# Altium PCB ccd_bottom.PcbDoc (part 1 of 3)
Units mil, origin at the board's own origin, x right, y up, seen from the top; angles counter-clockwise.
Board outline 3937.01 x 3937.01 mil, 4 copper layers (Top Layer, GND2, PWR3, Bottom Layer), stack 72.967 mil thick; 128 components, 168 nets, 680 pads, 683 vias.
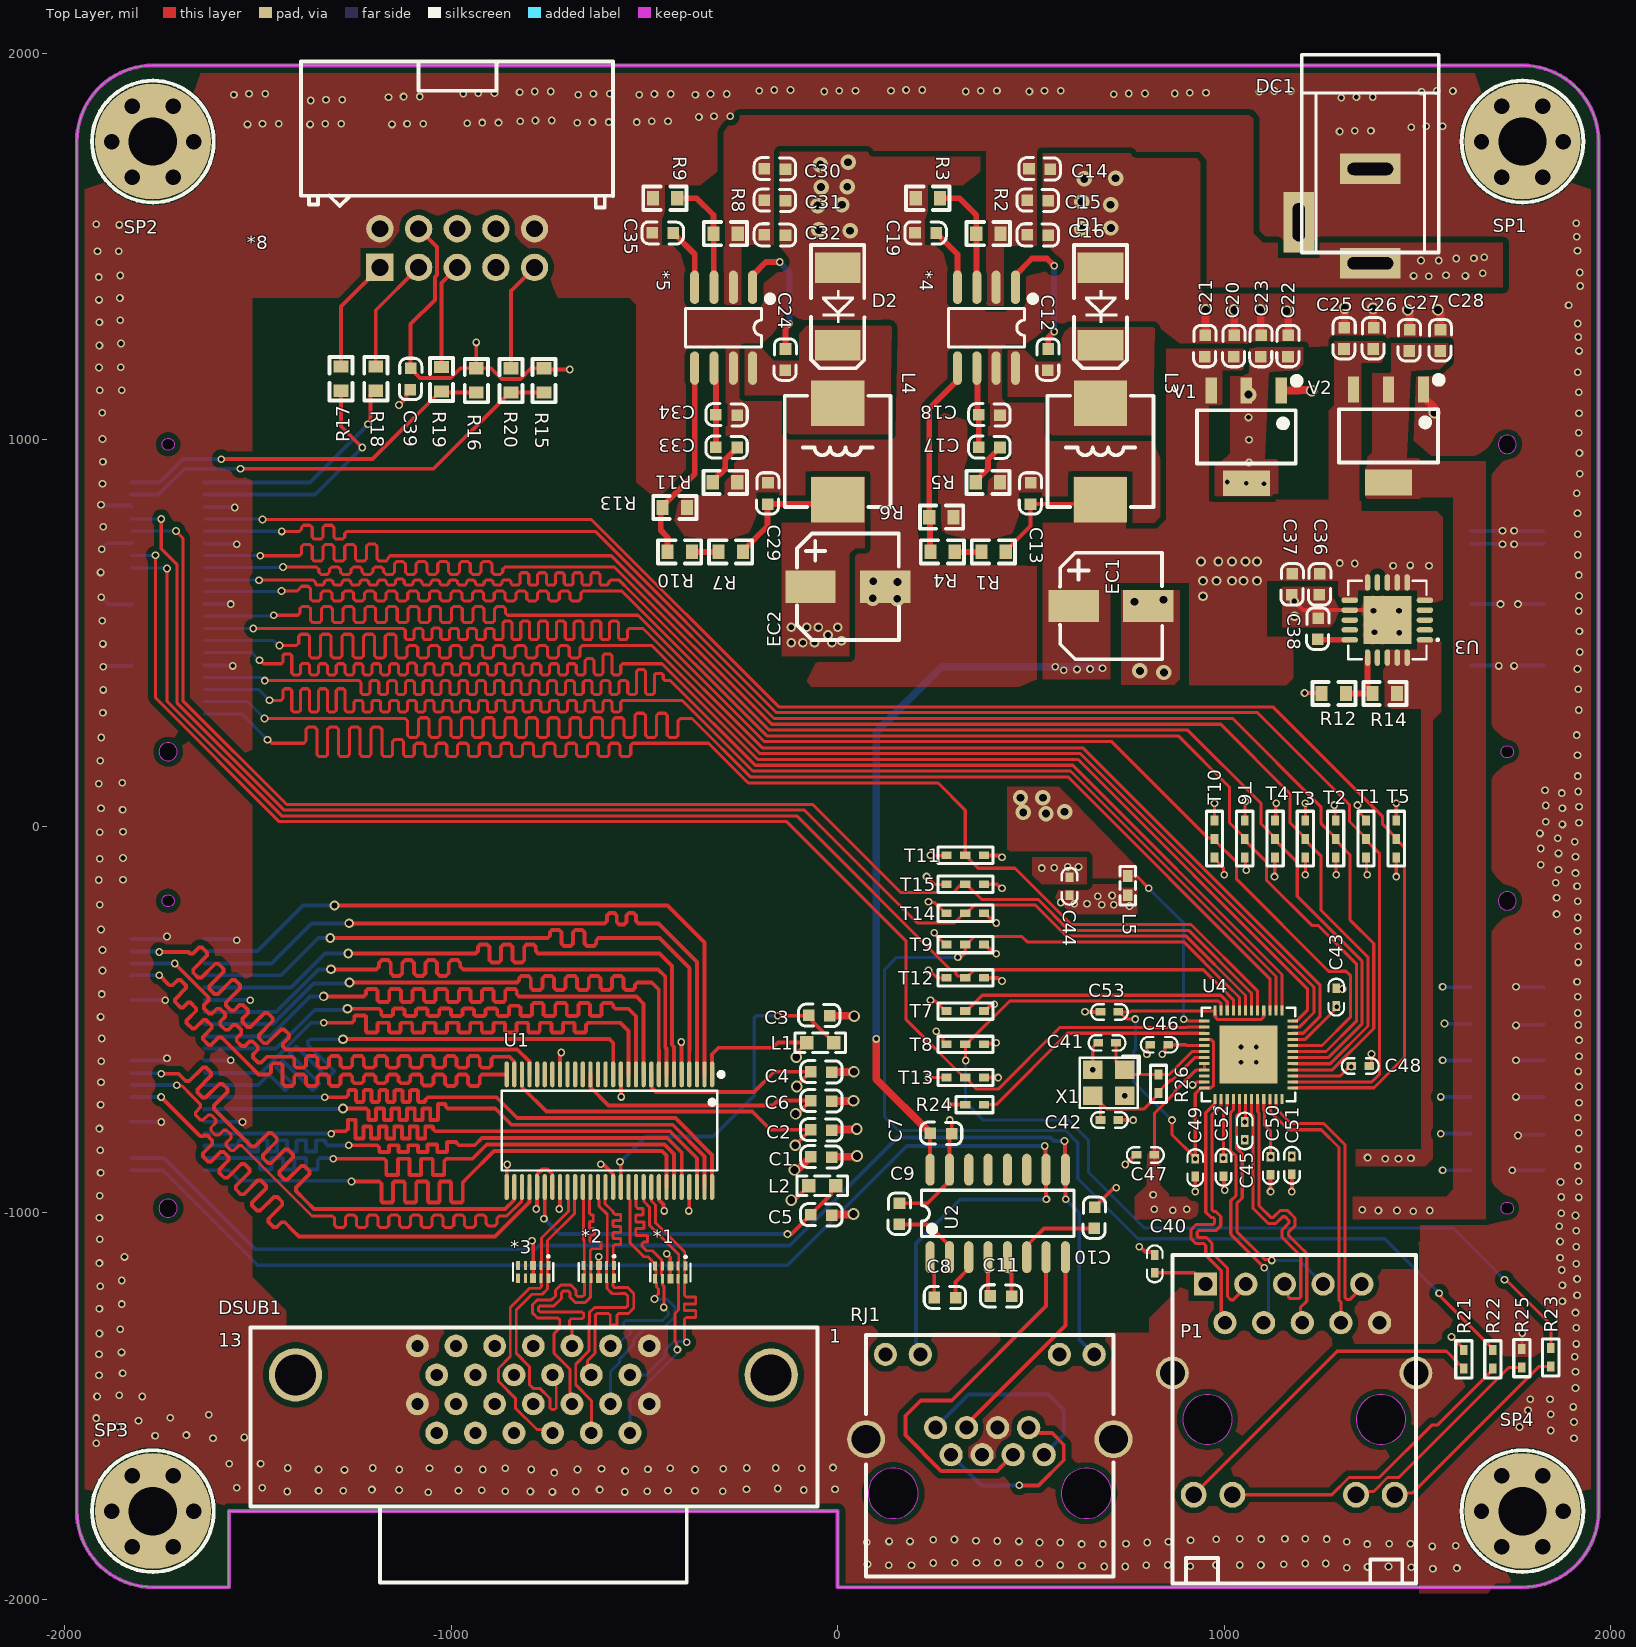
[diagram p0: Top Layer view]
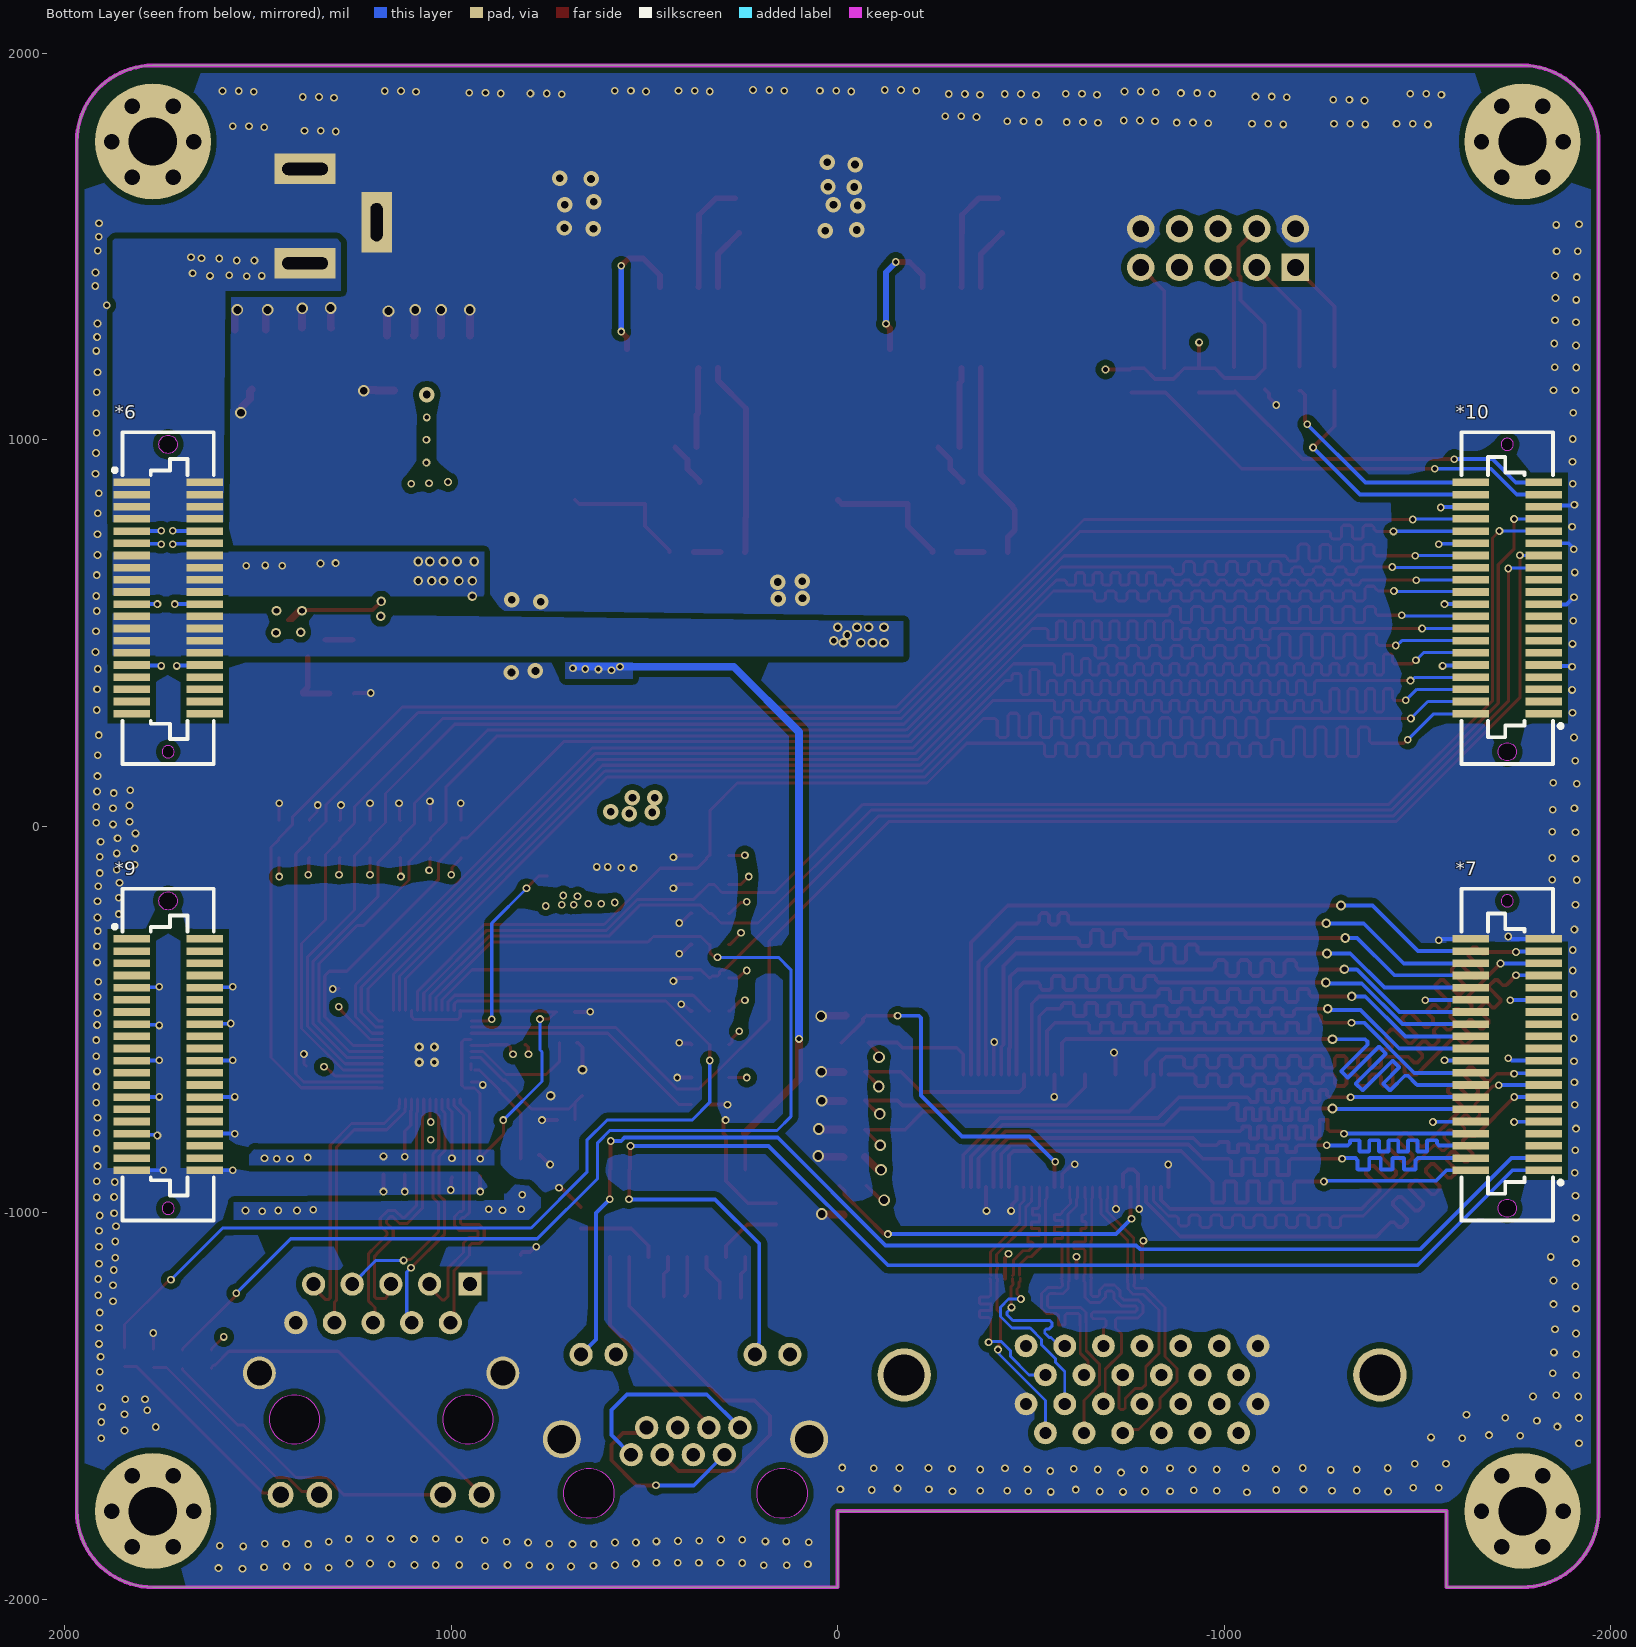
[diagram p1: Bottom Layer view, seen from below]
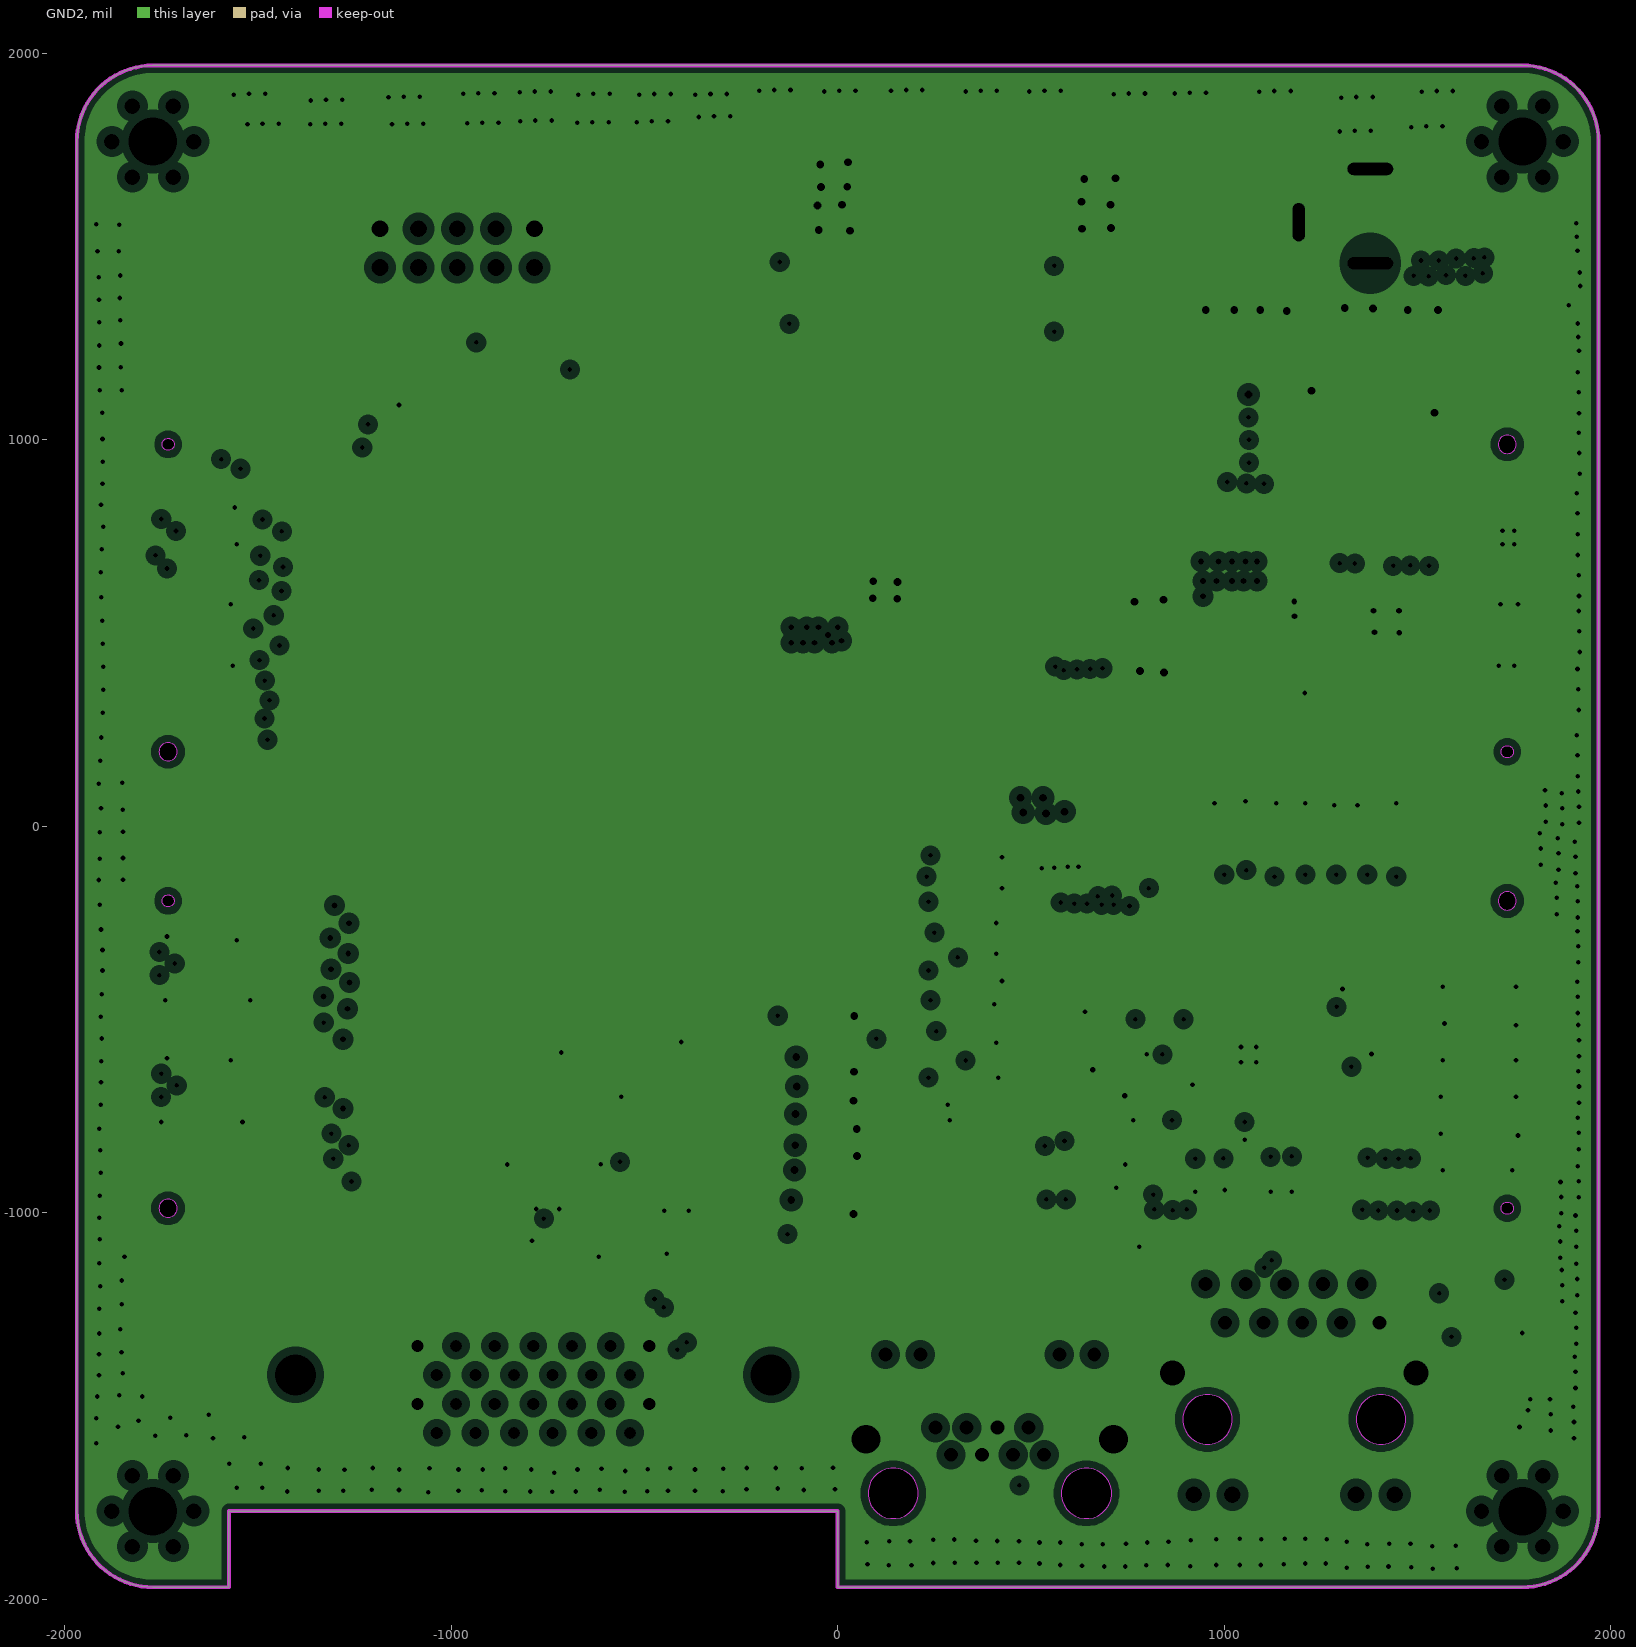
[diagram p2: GND2, clearances drawn from the general rule]
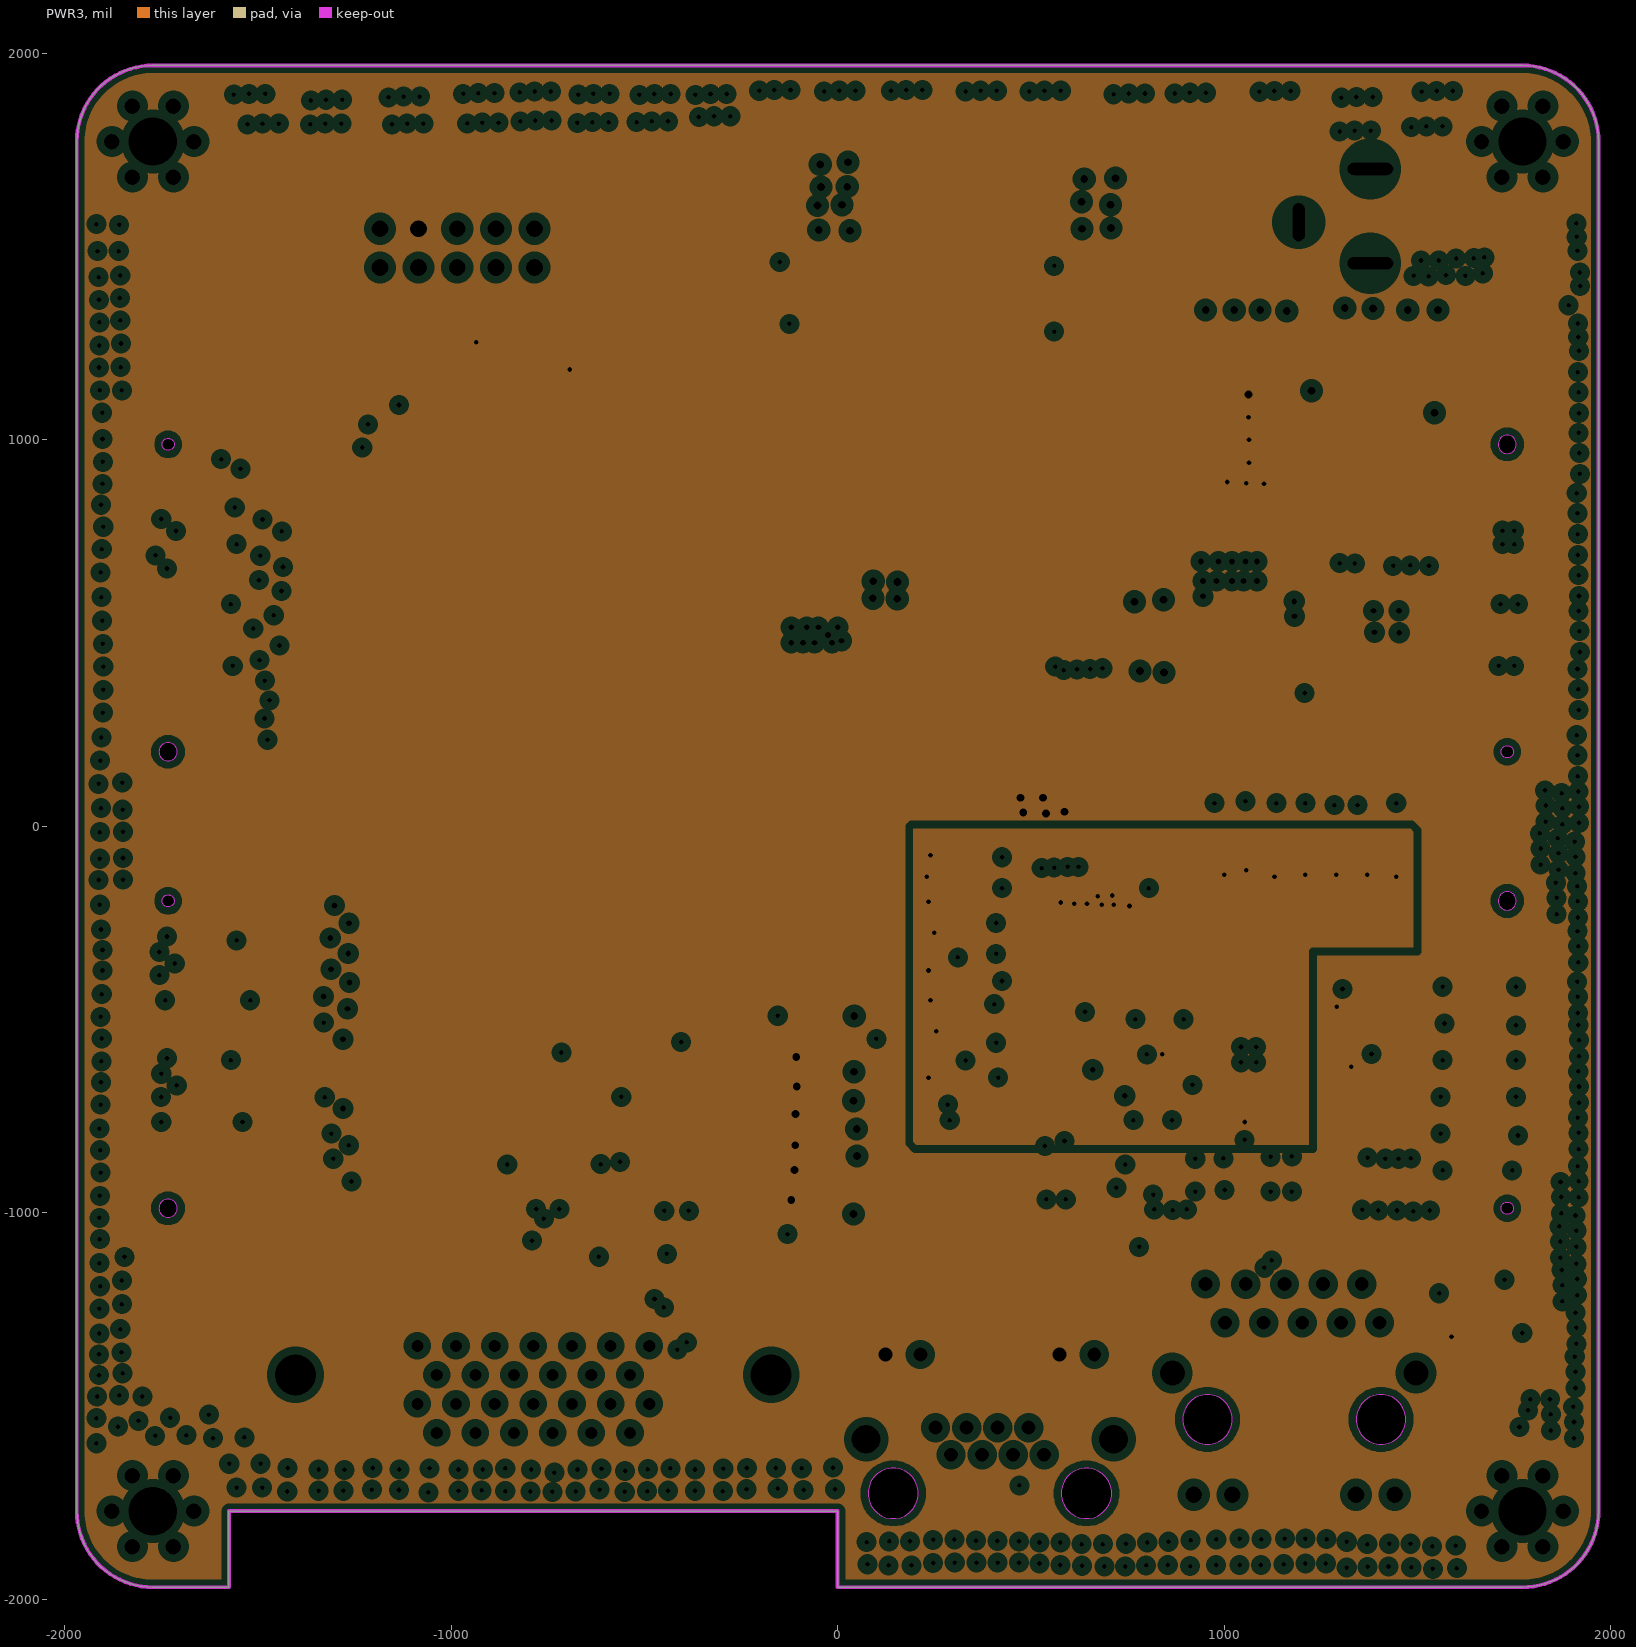
[diagram p3: PWR3, clearances drawn from the general rule]
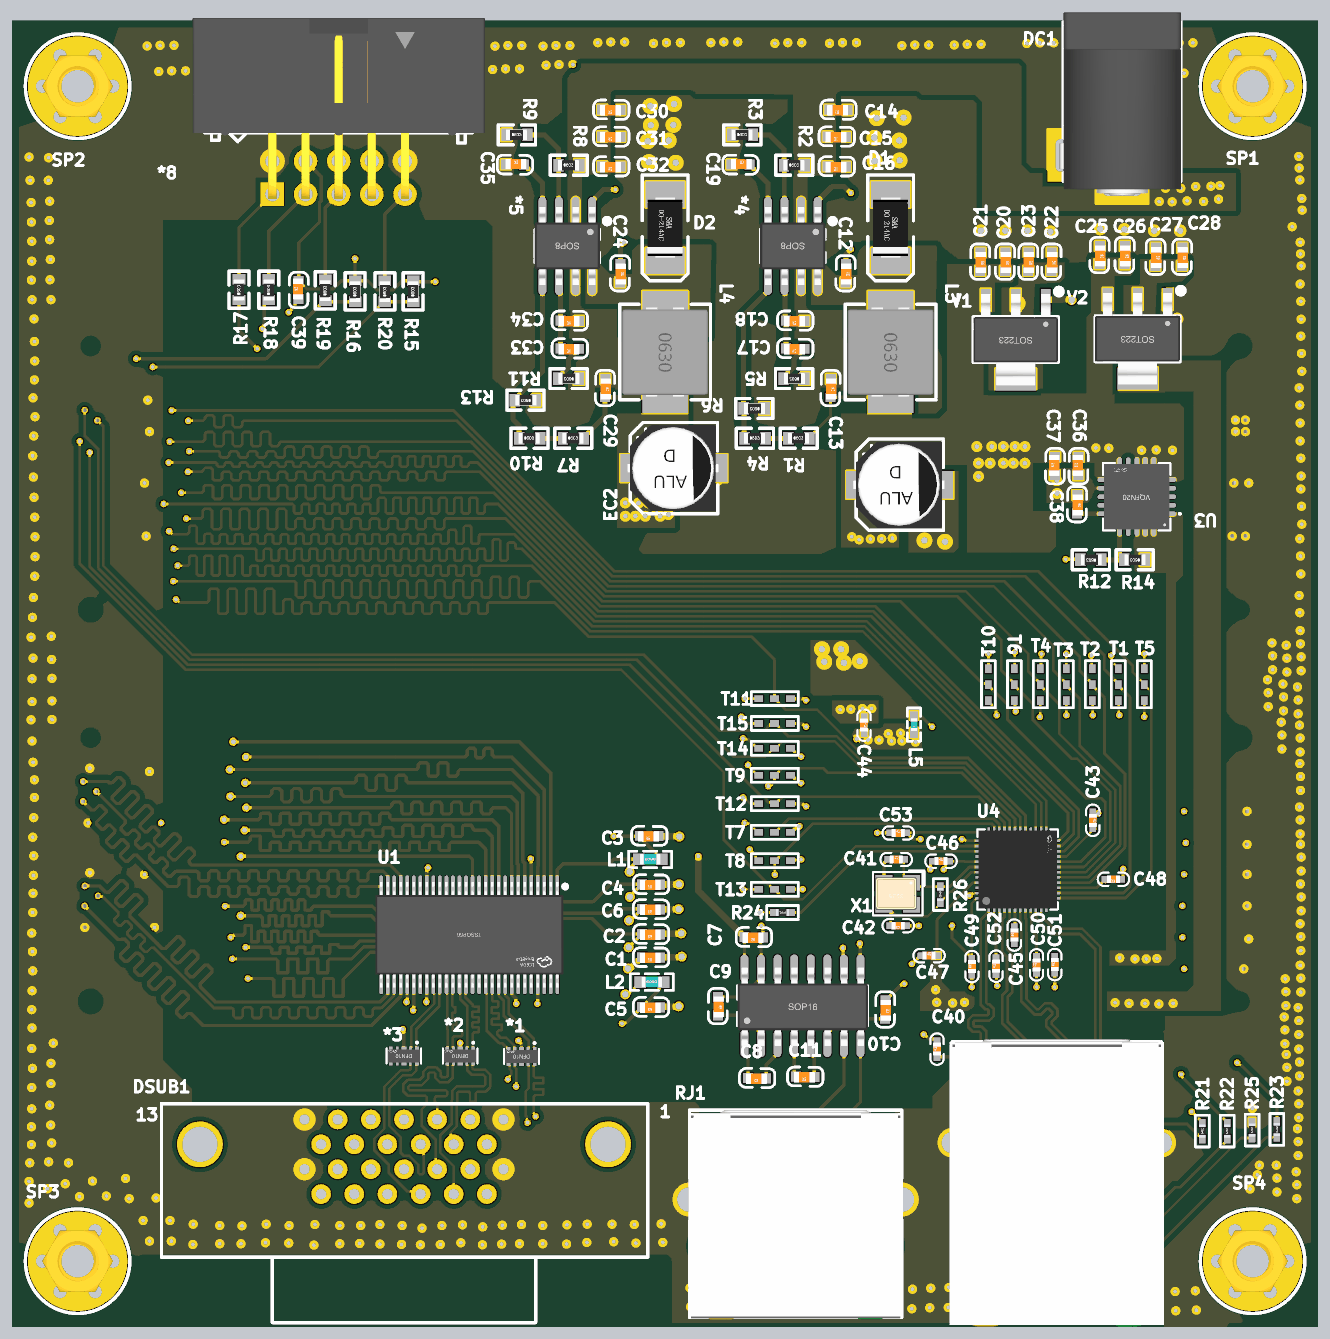
[diagram p6: 3D render of the assembled board from above, using the file's embedded part models]
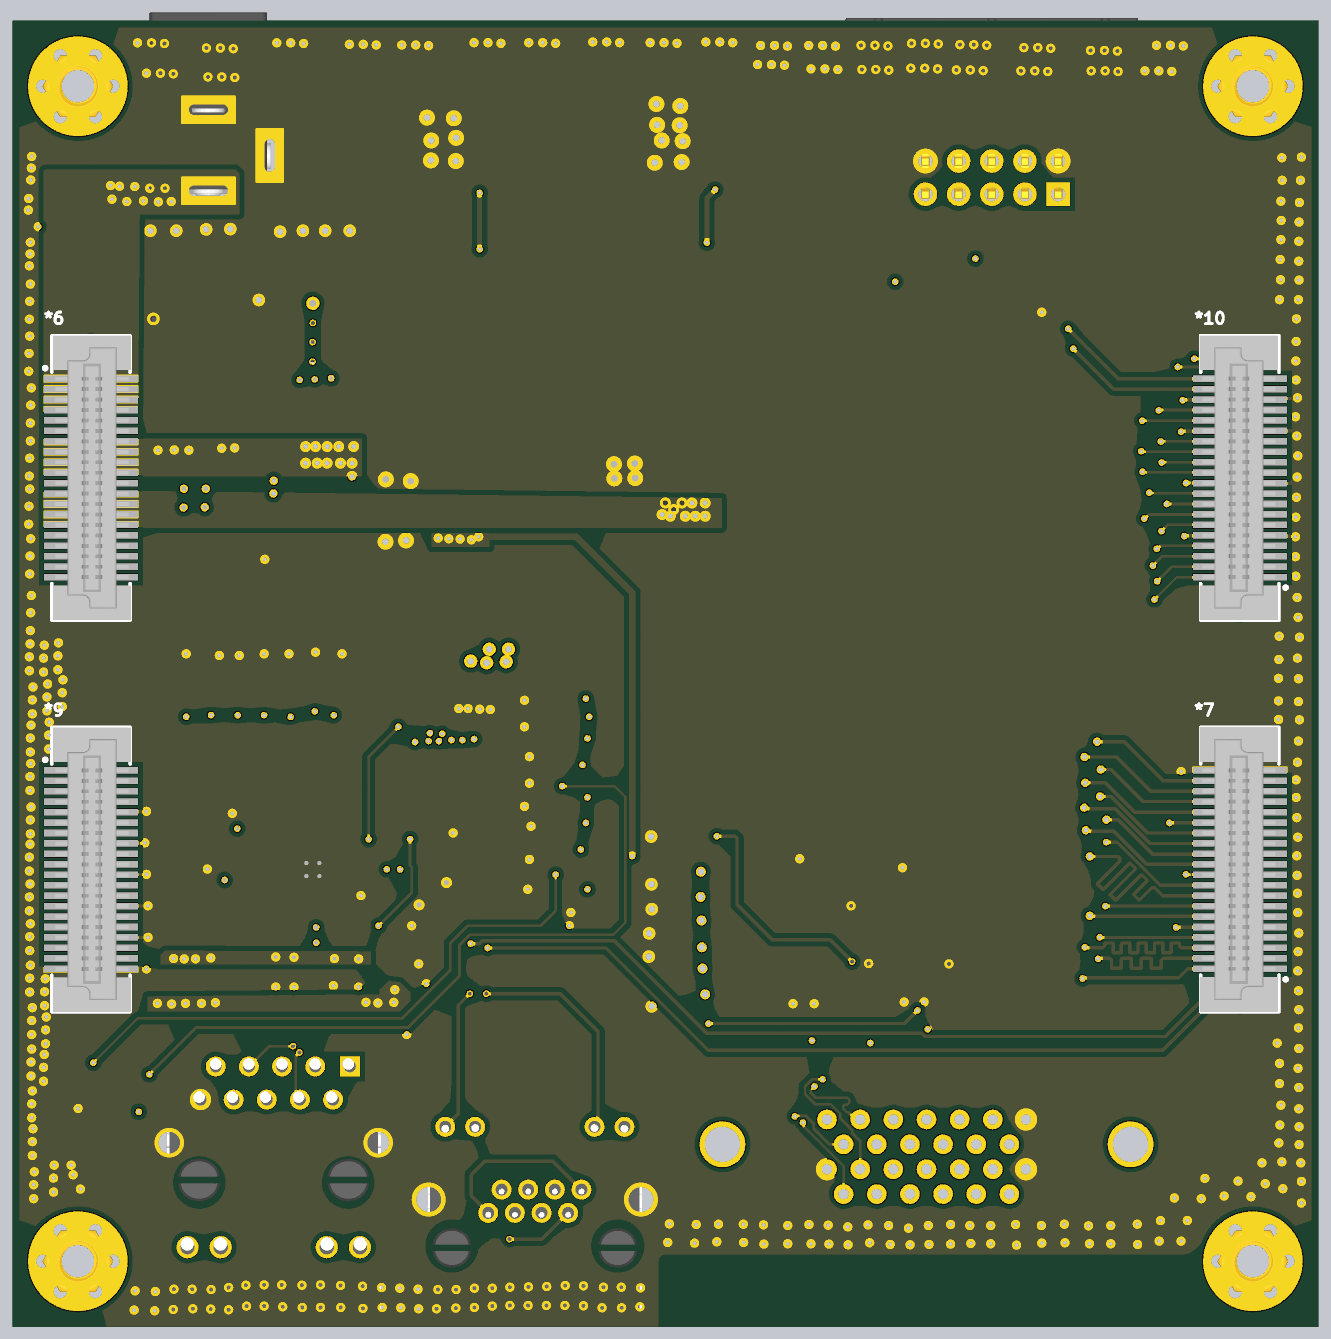
[diagram p7: 3D render of the assembled board from below, using the file's embedded part models]

## Layer stack, top to bottom
Top Solder: solder mask 0.4, Solder Resist, Dk 3.5
Top Layer: signal copper 1.4
Dielectric 2: prepreg 2.8, PP-006, Dk 4.1
GND2: plane copper 1.378, net GND
Dielectric 1: dielectric 61.811, FR-4, Dk 4.8
PWR3: plane copper 1.378, net (Multiple Nets)
Dielectric 3: prepreg 2.8, PP-006, Dk 4.1
Bottom Layer: signal copper 1.4
Bottom Solder: solder mask 0.4, Solder Resist, Dk 3.5

## Board outline
-1968.5,-1771.65 ccw(c-1771.65,-1771.65) -1771.65,-1968.5 -1574.8,-1968.5 -1574.8,-1771.65 0.2,-1771.65 0,-1771.65 0,-1968.5 1771.65,-1968.5 ccw(c1771.65,-1771.65) 1968.5,-1771.65 1968.5,1771.65 ccw(c1771.65,1771.65) 1771.65,1968.5 -1771.65,1968.5 ccw(c-1771.65,1771.65) -1968.5,1771.65

## Design rules (kind name [scope] priority, off if disabled: settings)
Clearance polygon [InPolygon] p1: gap=15 ignorepadtopadclearanceinfootprint=FALSE
Clearance [All] p2: gap=7 ignorepadtopadclearanceinfootprint=FALSE
DiffPairsRouting DiffPairsRouting_1 [InDifferentialPairClass('cml')] p1: maxlimit=10 minlimit=7.5 mostfreqgap=8 toplayer_minwidth=7.5 toplayer_maxwidth=8 toplayer_prefwidth=8 bottomlayer_minwidth=7.5 bottomlayer_maxwidth=8 bottomlayer_prefwidth=8 maxuncoupledlength=500
DiffPairsRouting [InDifferentialPairClass('dif')] p2: maxlimit=10 minlimit=7.5 mostfreqgap=8 toplayer_minwidth=7.5 toplayer_maxwidth=8 toplayer_prefwidth=8 bottomlayer_minwidth=7.5 bottomlayer_maxwidth=8 bottomlayer_prefwidth=8 maxuncoupledlength=500
HoleToHoleClearance [All] p1: gap=0 allowstackedmicrovias=TRUE
MinimumSolderMaskSliver [All] p1: minsoldermaskwidth=0
PlaneClearance [All] p1: clearance=20
PlaneConnect [All] p1: planeconnectstyle=Direct reliefexpansion=20 reliefentries=4 reliefconductorwidth=10 reliefairgap=10
PolygonConnect [All] p1: connectstyle=Direct reliefconductorwidth=10 reliefentries=4 polygonreliefangle="90 Angle" airgapwidth=10
RoutingVias [All] p1: holewidth=12 width=20 viastyle="Through Hole" minholewidth=12 minwidth=20 maxholewidth=30 maxwidth=70
SilkToSilkClearance [All] p1: silktosilkclearance=0
SilkToSolderMaskClearance [IsPad] p1: minsilkscreentomaskgap=0 clearancetoexposedcopper=TRUE
SolderMaskExpansion [All] p1: expansion=4 istentingtop=FALSE
Width pwr [All] p1: maxlimit=50 minlimit=8 preferedwidth=8
23 further rules are at their usual default settings.

## Classes and differential pairs
net class cam: B15_IO25 B15_L1_N B15_L1_P B15_L2_N B15_L2_P B15_L3_N B15_L3_P B15_L4_N B15_L4_P B15_L5_N B15_L5_P B15_L7_P B15_L9_N B15_L9_P B15_L11_N B15_L11_P B15_L12_N B15_L12_P B16_IO25 B16_L22_N B16_L22_P B16_L23_N
net class eth: B15_L14_N B15_L14_P B15_L19_N B15_L19_P B15_L20_N B15_L20_P B15_L21_N B15_L21_P B15_L22_N B15_L22_P B15_L23_N B15_L23_P B15_L24_N B15_L24_P
differential pair class cml: NewDifferentialPair5 NewDifferentialPair6 NewDifferentialPair7 NewDifferentialPair8 NewDifferentialPair9
differential pair class dif: NewDifferentialPair1 NewDifferentialPair2 NewDifferentialPair3 NewDifferentialPair4
component class eth: C40 C41 C42 C43 C44 C45 C46 C47 C48 C49 C50 C51 C52 C53 L5 P1 R21 R22 R23 R24 R25 R26 T1 T2 T3 T4 T5 T6 T7 T8 T9 T10 T11 T12 T13 T14 T15 U4 X1
component class power: *4 *5 C12 C13 C14 C15 C16 C17 C18 C19 C20 C21 C22 C23 C24 C25 C26 C27 C28 C29 C30 C31 C32 C33 C34 C35 C36 C37 C38 D1 D2 DC1 EC1 EC2 L3 L4 R1 R2 R3 R4 R5 R6 R7 R8 R9 R10 R11 R12 R13 R14 U3 V1 V2
component class Connect: *6 *7 *8 *9 *10 C39 R15 R16 R17 R18 R19 R20 SP1 SP2 SP3 SP4
component class cameralink: *1 *2 *3 C1 C2 C3 C4 C5 C6 C7 C8 C9 C10 C11 DSUB1 L1 L2 RJ1 U1 U2
differential pair NewDifferentialPair9: +X0+ -X0-
differential pair NewDifferentialPair8: +X1+ -X1-
differential pair NewDifferentialPair7: +X2+ -X2-
differential pair NewDifferentialPair6: +XCK+ -XCLK-
differential pair NewDifferentialPair5: +X3+ -X3-
differential pair NewDifferentialPair4: +ETH_TD3_N -ETH_TD3_P
differential pair NewDifferentialPair3: +ETH_TD2_P -ETH_TD2_N
differential pair NewDifferentialPair2: +ETH_TD1_N -ETH_TD1_P
differential pair NewDifferentialPair1: +ETH_TD0_N -ETH_TD0_P
